# Altium PCB Edison_arduino_5_0826.PcbDoc (part 1 of 6)
Units mm, origin at the board's own origin, x right, y up, seen from the top; angles counter-clockwise.
Board outline 122.25 x 72.01 mm, 4 copper layers (TOP, GND, PWR_GND, BOTTOM), stack 1.567 mm thick; 365 components, 239 nets, 1187 pads, 660 vias.
Unrouted connection lines stored in the file: 40.
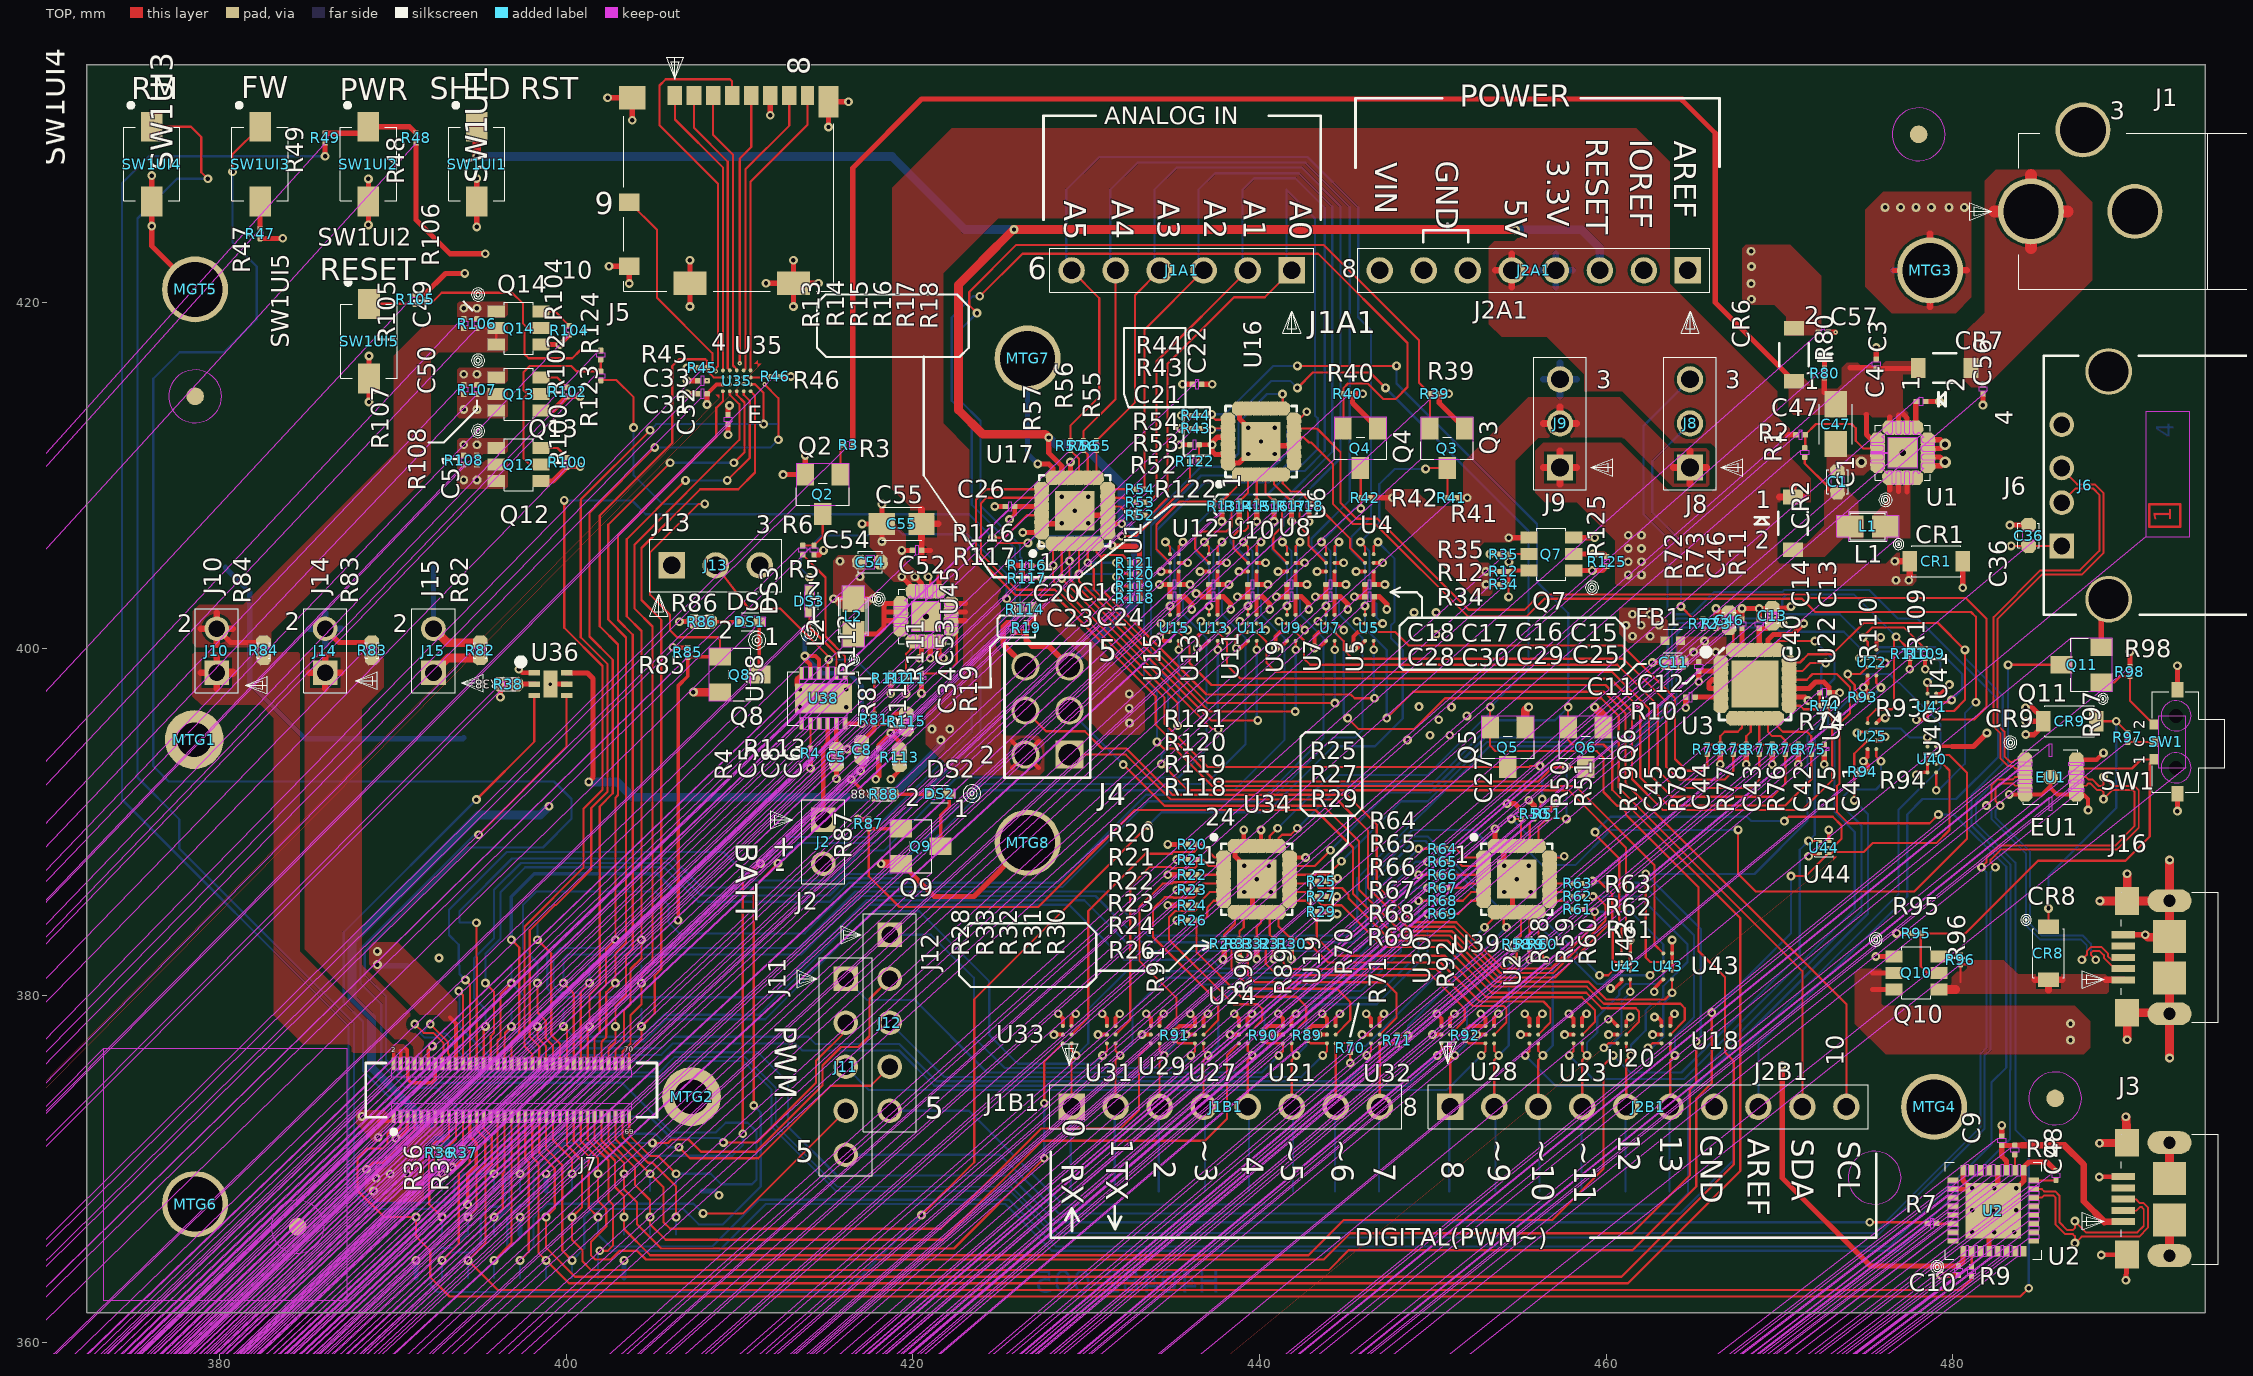
[diagram p0: TOP view]
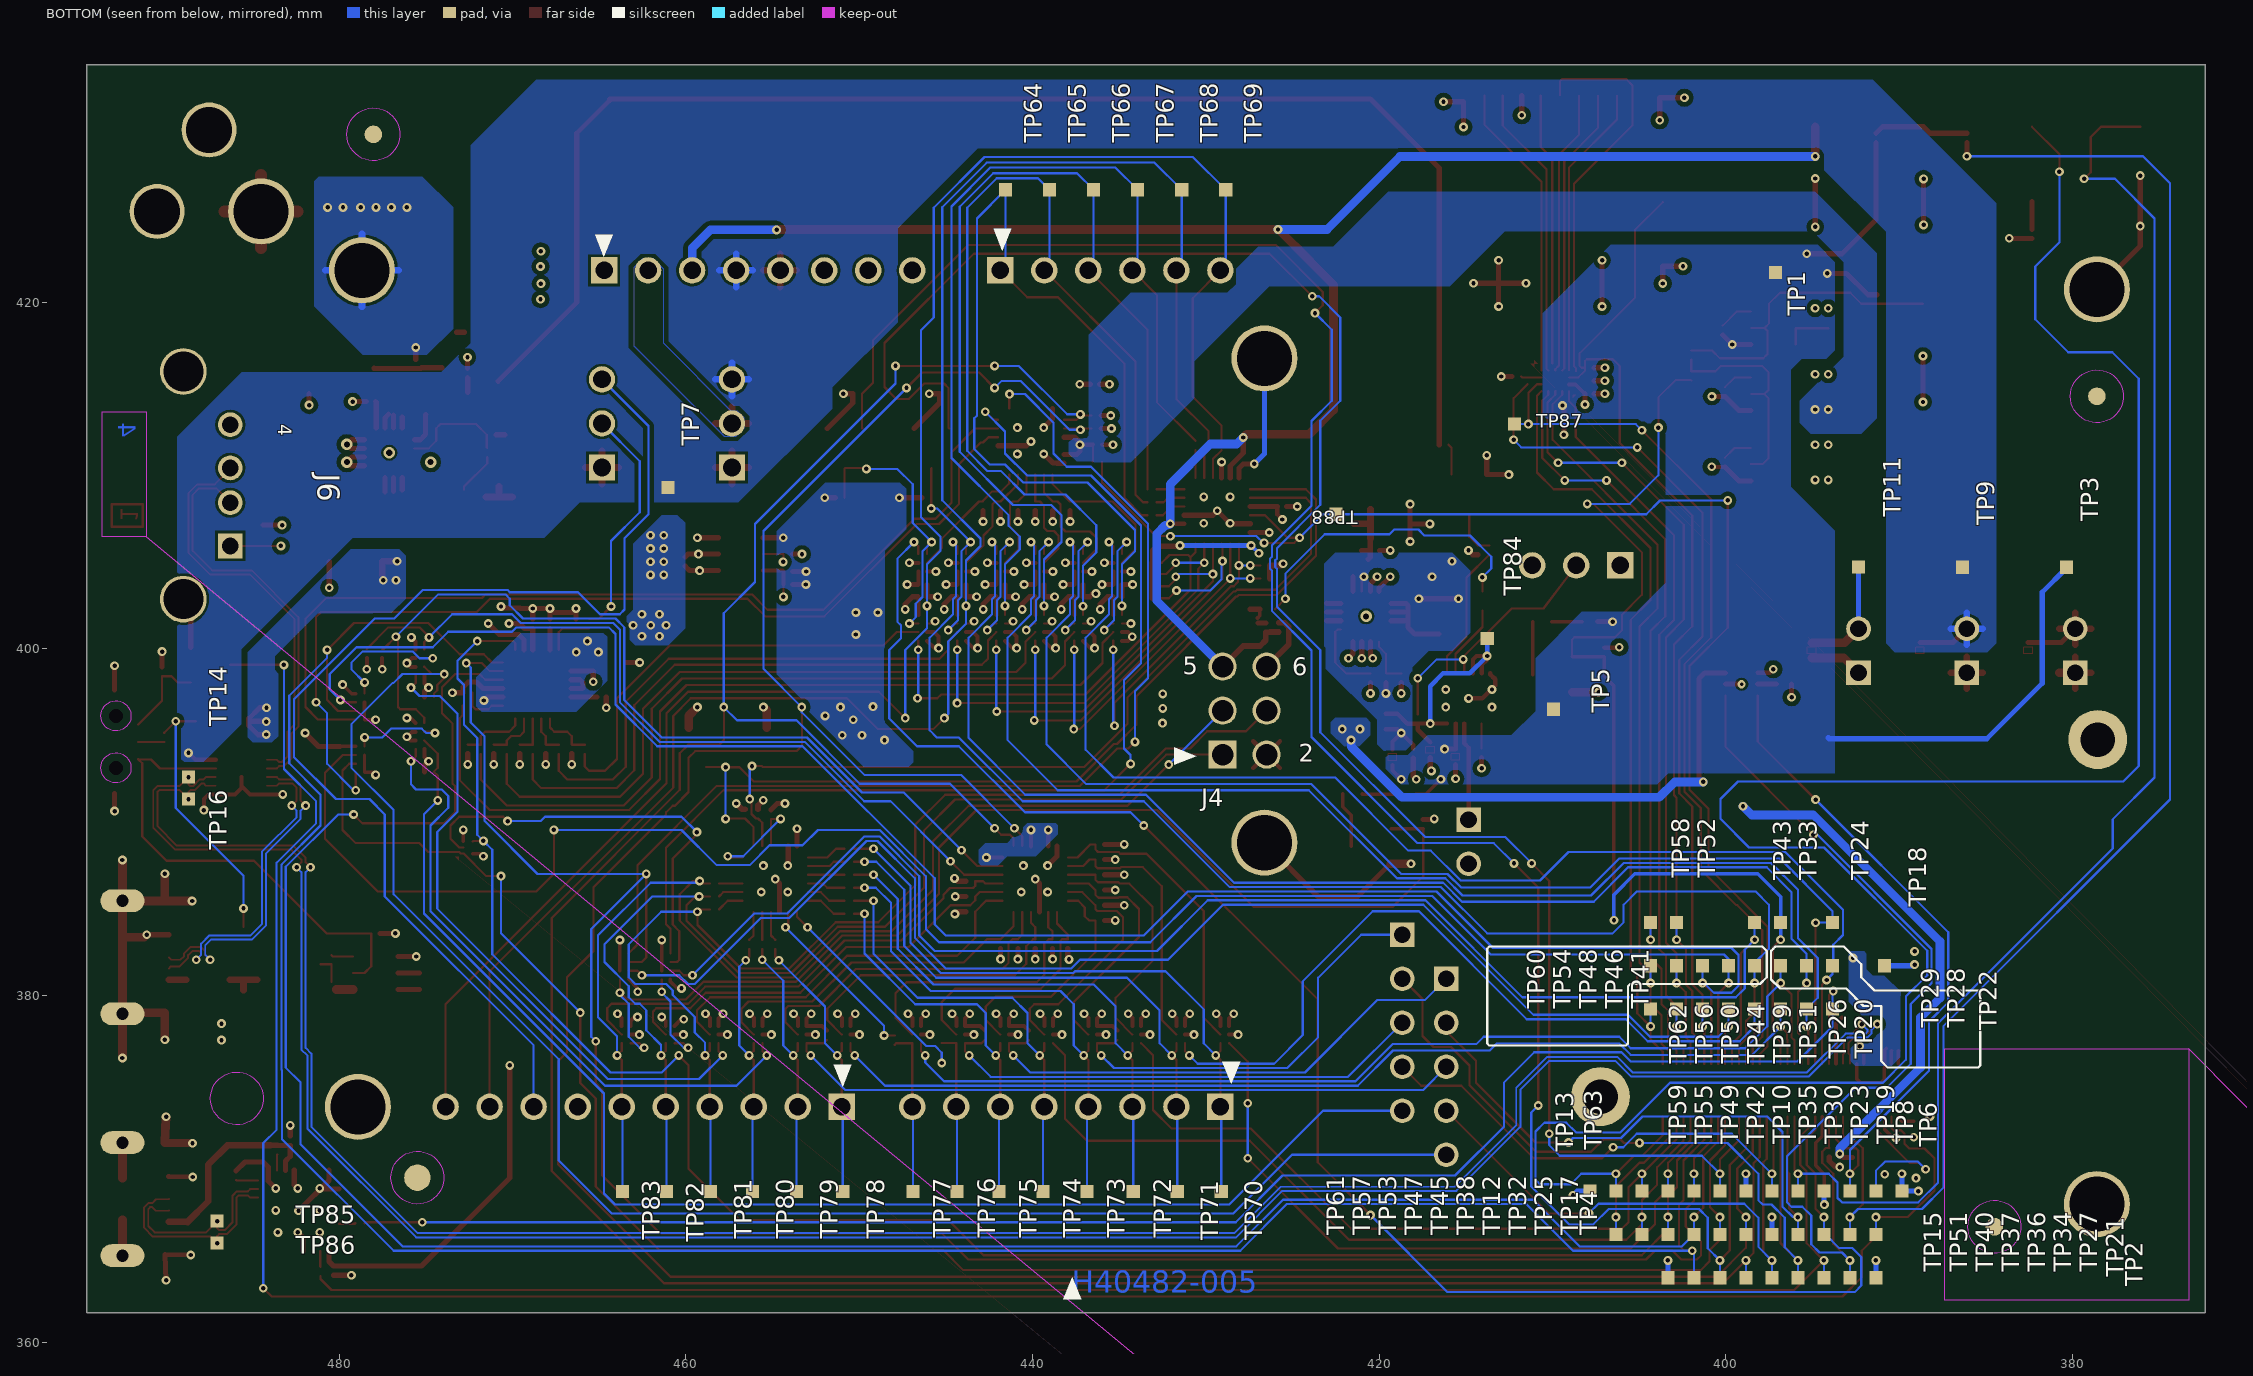
[diagram p1: BOTTOM view, seen from below]
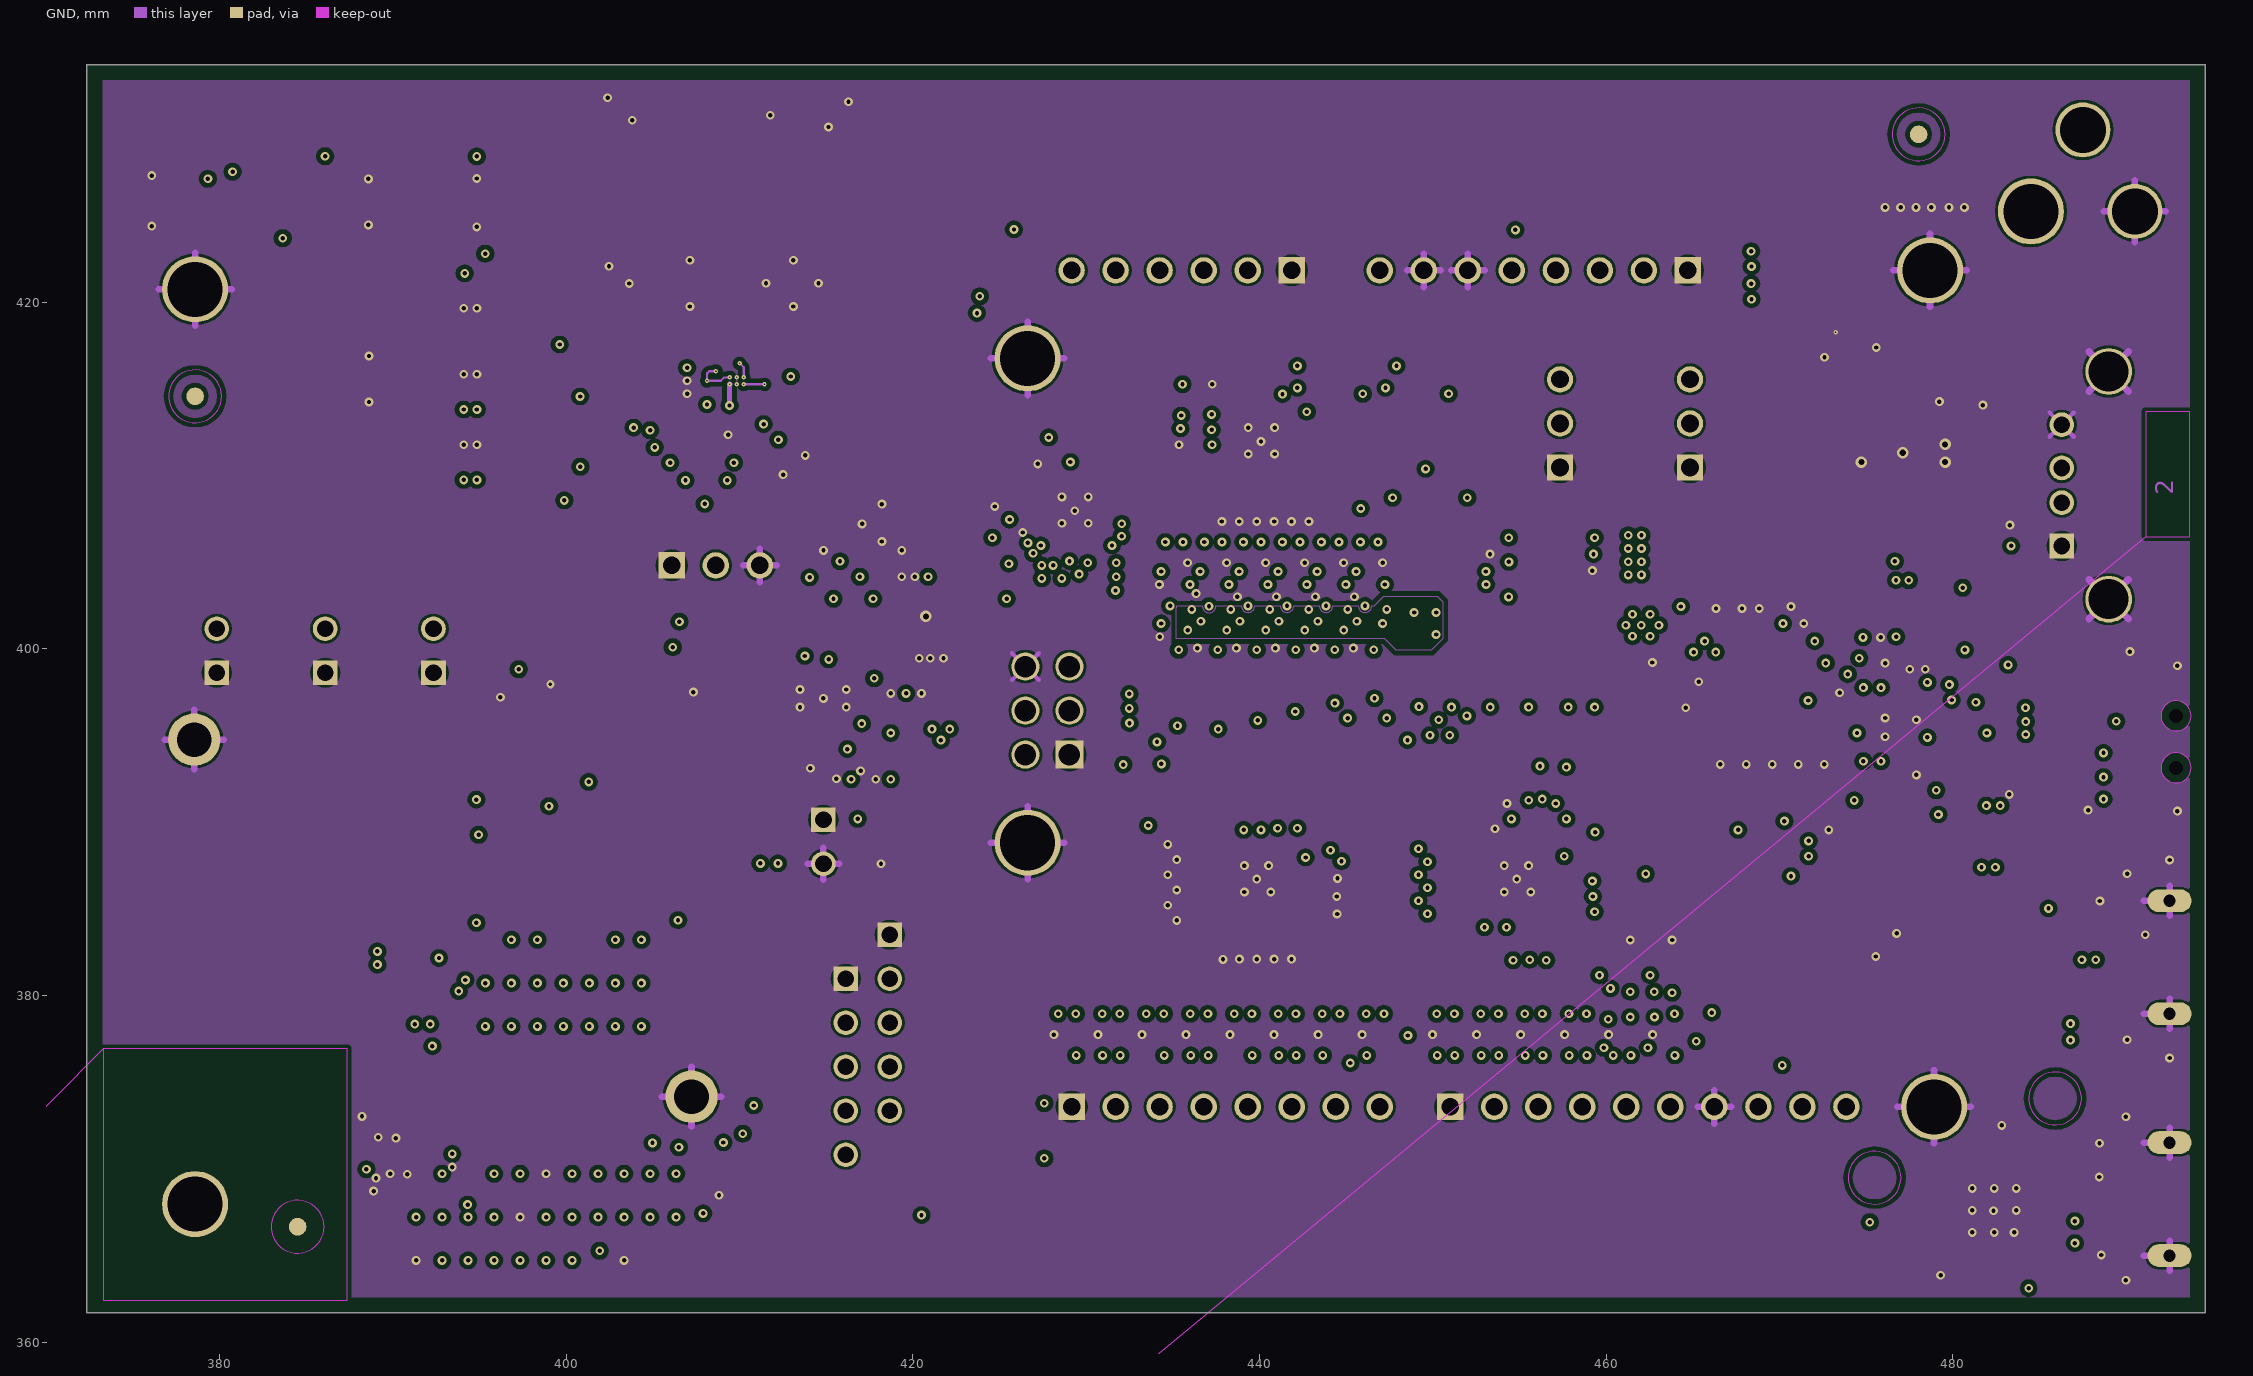
[diagram p2: GND]
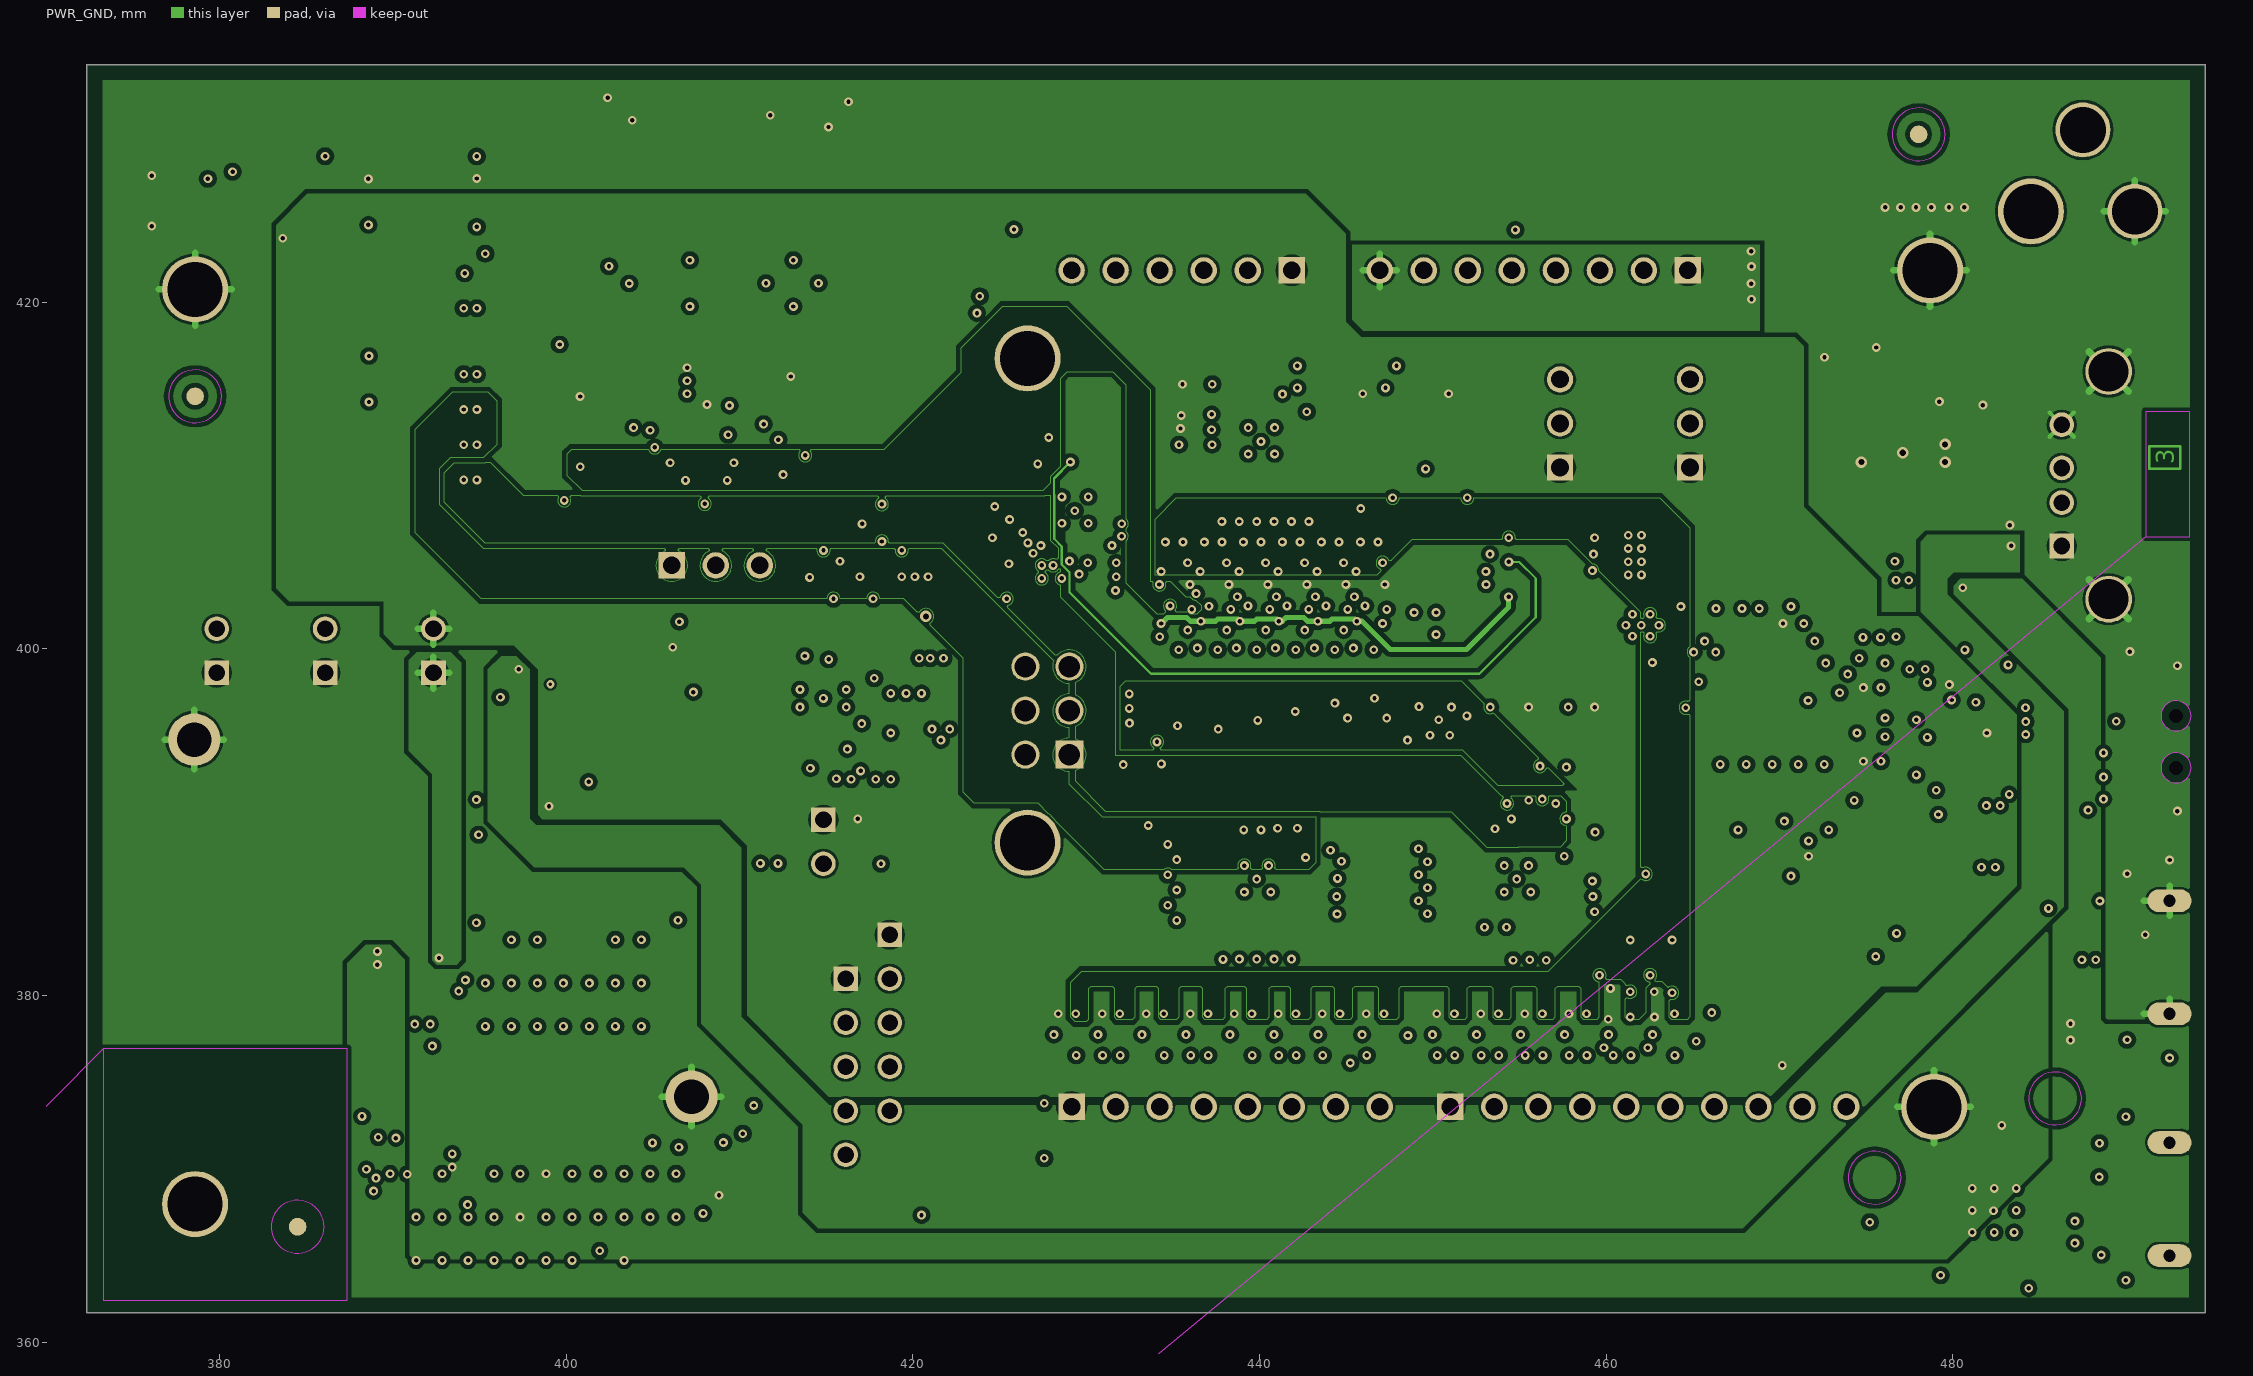
[diagram p3: PWR_GND]

## Layer stack, top to bottom
Top Solder: solder mask 0.0102, Solder Resist, Dk 3.5
TOP: signal copper 0.0483
Dielectric 1: core 0.0673, FR-4, Dk 3.86
GND: signal copper 0.033
Dielectric2: core 1.27, FR-4, Dk 4.34
PWR_GND: signal copper 0.033
Dielectric3: core 0.0673, FR-4, Dk 3.86
BOTTOM: signal copper 0.0483
Bottom Solder: solder mask 0.0102, Solder Resist, Dk 3.5

## Board outline
372.326,361.721 372.339,361.709 494.563,361.709 494.576,361.721 494.576,433.705 494.563,433.718 372.339,433.718 372.326,433.705

## Design rules (kind name [scope] priority, off if disabled: settings)
Clearance [All] p1: gap=0.254
PlaneConnect [All] p1: planeconnectstyle=Direct reliefexpansion=0.508 reliefentries=4 reliefconductorwidth=0.254 reliefairgap=0.254
PolygonConnect [All] p1: connectstyle=Direct reliefconductorwidth=0.254 reliefentries=4 polygonreliefangle="90 Angle" airgapwidth=0.254
RoutingVias [All] p1: holewidth=0.711 width=1.27 viastyle="Through Hole" minholewidth=0.711 minwidth=1.27 maxholewidth=0.711 maxwidth=1.27
SolderMaskExpansion [All] p1: expansion=0.102
UnpouredPolygon [All] p1: allowunpoured=FALSE
Width [All] p1: maxlimit=0.254 minlimit=0.254 preferedwidth=0.254 impedancedriven=TRUE minimp=100.910000 maximp=109.480000 favimp=31.480000
28 further rules are at their usual default settings.

## Components (designator, comment, footprint, x,y, rotation, side; value= is the part's Value field where it differs from the comment)
C1 "602433-081" SMC0603_HI_VALUE#1 473.348,409.643 r180 top
C3 "CAP_C0201_0.1UF_C83410-027" C0201#1 475.589,416.455 r0 top
C4 "C83410-017" SMC0201#1 478.168,414.274 r0 top
C5 "G21049-001" SMC0402#1 415.589,393.777 r0 top
C6 "CAP_C0201_0.1UF_C83410-014" C0201#2 418.034,393.985 r180 top
C8 "G21049-001" SMC0402#1 417.048,394.173 r0 top
C9 "CAP_C0201_0.1UF_C83410-014" C0201#1 482.828,371.627 r0 top
C10 "CAP_C0201_0.1UF_C83410-014" C0201#3 480.328,364.127 r180 top
C11 "G21049-001" SMC0402#2 463.894,399.221 r270 top
C12 "CAP_C0201_0.1UF_C83410-014" C0201#4 465.339,398.988 r180 top
C13 "G21049-001" SMC0402#3 469.589,401.916 r180 top
C14 "CAP_C0201_0.1UF_C83410-014" C0201#1 468.839,401.455 r0 top
C15 "CAP_C0201_0.1UF_C83410-014" C0201#1 446.355,403.721 r90 top
C16 "CAP_C0201_0.1UF_C83410-014" C0201#1 444.105,403.721 r90 top
C17 "CAP_C0201_0.1UF_C83410-014" C0201#1 441.855,403.721 r90 top
C18 "CAP_C0201_0.1UF_C83410-014" C0201#1 439.605,403.721 r90 top
C19 "CAP_C0201_0.1UF_C83410-014" C0201#1 437.355,403.721 r90 top
C20 "CAP_C0201_0.1UF_C83410-014" C0201#1 435.105,403.721 r90 top
C21 "CAP_C0201_0.1UF_C83410-014" C0201#1 436.247,411.786 r90 top
C22 "CAP_C0201_0.1UF_C83410-014" C0201#5 436.392,415.272 r270 top
C23 "CAP_C0201_0.1UF_C83410-014" C0201#1 435.105,403.016 r90 top
C24 "CAP_C0201_0.1UF_C83410-014" C0201#1 437.355,403.016 r90 top
C25 "CAP_C0201_0.1UF_C83410-014" C0201#1 446.355,403.016 r90 top
C26 "CAP_C0201_0.1UF_C83410-014" C0201#1 425.605,408.221 r90 top
C27 "CAP_C0201_0.1UF_C83410-014" C0201#1 455.089,390.455 r0 top
C28 "CAP_C0201_0.1UF_C83410-014" C0201#1 439.605,403.016 r90 top
C29 "CAP_C0201_0.1UF_C83410-014" C0201#1 444.105,403.016 r90 top
C30 "CAP_C0201_0.1UF_C83410-014" C0201#1 441.855,403.016 r90 top
C31 "CAP_C0201_0.1UF_C83410-014" C0201#1 407.855,414.721 r90 top
C32 "CAP_C0201_0.1UF_C83410-014" C0201#6 409.339,413.238 r180 top
C33 "CAP_C0201_0.1UF_C83410-014" C0201#1 407.855,415.471 r90 top
C34 "D70542-001" SMC0201#1 425.79,401.243 r90 top
C36 "602433-091" SMC0603_HI_VALUE#2 484.38,406.546 r180 top
C40 "D70542-001" SMC0201#1 472.589,397.471 r0 top
C41 "D70542-001" SMC0201#2 472.589,394.221 r270 top
C42 "D70542-001" SMC0201#2 471.089,394.221 r270 top
C43 "D70542-001" SMC0201#2 469.589,394.221 r270 top
C44 "D70542-001" SMC0201#2 468.089,394.221 r270 top
C45 "D70542-001" SMC0201#2 466.589,394.221 r270 top
C46 "G21049-001" SMC0402#4 467.089,401.666 r180 top
C47 "G27061-002" SMC0805 473.248,412.969 r0 top
C48 "CAP_C0201_0.1UF_C83410-014" C0201#1 485.953,369.629 r0 top
C49 "CAP_C0201_0.1UF_C83410-014" C0201#1 394.083,418.771 r0 top
C50 "CAP_C0201_0.1UF_C83410-014" C0201#1 394.083,414.961 r0 top
C51 "CAP_C0201_0.1UF_C83410-014" C0201#1 394.845,410.897 r0 top
C52 "CAP_C0201_0.1UF_C83410-014" C0201#1 420.245,405.69 r90 top
C53 "C83410-017" SMC0201#3 420.499,398.324 r270 top
C54 "602433-081" SMC0603_HI_VALUE#3 417.536,405.008 r90 top
C55 "G27061-002" SMC0805 419.356,407.214 r270 top
C56 "CAP_C0201_0.1UF_C83410-027" C0201#7 481.739,414.989 r180 top
C57 "CAP_C0201_0.1UF_C83410-027" C0201#2 472.523,418.272 r270 top
CR1 "E58800-001" SOD123_67X106 479.046,405.055 r90 top
CR2 "H33384-001" SCR_27X17MA 470.78,407.243 r0 top
CR6 "H33384-001" SCR_27X17MA 470.839,416.971 r180 top
CR7 "H33384-001" SCR_27X17MA 479.527,416.204 r90 top
CR8 "E58800-001" SOD123_67X106 485.523,382.449 r0 top
CR9 "E58800-001" SOD123_67X106 486.743,395.825 r270 top
DS1 "E54986-003" SMLED0402#1 410.594,401.574 r270 top
DS2 "E54986-003" SMLED0402#2 421.542,391.643 r270 top
DS3 "E54986-003" SMLED0402#3 414.03,402.763 r180 top
EU1 "G67765-001" LCC10_P5MM_EP65X94 485.65,392.609 r0 top
FB1 "A51464-017" SMF0402 463.839,400.471 r180 top
J1 "G60557-001" JK_3P_RA 490.404,426.301 r270 top
J1A1 "H46111-001" 1X6RCPT_2P54_VT_TH 435.508,421.843 r180 top
J1B1 "H46118-001" 1X8RCPT_2P54_VT_TH 438.048,373.583 r0 top
J2 "E81838-001" 102276-001 414.839,388.874 r0 top
J2A1 "H46118-001" 1X8RCPT_2P54_VT_TH 455.828,421.843 r180 top
J2B1 "CON10,1X10,0.1,0.093,E74918-001" 1X10RCPT_2P54_VT_TH 462.432,373.583 r0 top
J3 "G58911-001" RCPT_USB_5P_DIP_SM 491.177,368.259 r90 top
J4 "H18587-001" CONN6_H18587001 427.761,396.443 r180 top
J5 "REQ3437" CONN_SDCARD_8P_PP 409.377,427.902 r180 top
J6 "D23040-001" CONN4_D23040001 492.277,409.443 r90 top
J7 "H42241-001" 2X35_P4MM_BTB_AXT_SKT_MB 396.839,374.544 r0 top
J8 "A91829-001" 102276-003 464.775,413.075 r180 top
J9 "A91829-001" 102276-003 457.275,413.075 r180 top
J10 "E81838-001" 102276-001 379.839,399.901 r180 top
J11 "C88650-001" 102276-005 416.128,375.895 r0 top
J12 "C88650-001" 102276-005 418.668,378.435 r0 top
J13 "A91829-001" 102276-003 408.692,404.885 r90 top
J14 "E81838-001" 102276-001 386.089,399.901 r180 top
J15 "E81838-001" 102276-001 392.339,399.901 r180 top
J16 "G58911-001" RCPT_USB_5P_DIP_SM 491.177,382.211 r90 top
L1 "G95926-001" SML0805#1 475.097,407.071 r270 top
L2 "G95926-001" SML0805#2 416.562,401.88 r180 top
MGT5 "SYMBOL_NPTH125_0_SYMBOL_NPTH125" SYMBOL_NPTH125 378.587,420.751 r0 top
MTG1 "MOUNTING HOLE 787_NPIN787_NPIN7" NPIN787 378.539,394.772 r0 top
MTG2 "MOUNTING HOLE 787_NPIN787_NPIN7" NPIN787 407.229,374.172 r0 top
MTG3 "SYMBOL_NPTH125_0_SYMBOL_NPTH125" SYMBOL_NPTH125 478.688,421.843 r0 top
MTG4 "SYMBOL_NPTH125_0_SYMBOL_NPTH125" SYMBOL_NPTH125 478.918,373.583 r0 top
MTG6 "SYMBOL_NPTH125_0_SYMBOL_NPTH125" SYMBOL_NPTH125 378.589,367.971 r0 top
MTG7 "SYMBOL_NPTH125_0_SYMBOL_NPTH125" SYMBOL_NPTH125 426.618,416.763 r0 top
MTG8 "SYMBOL_NPTH125_0_SYMBOL_NPTH125" SYMBOL_NPTH125 426.618,388.823 r0 top
Q2 "C81974-001" SOT23#1 414.803,408.92 r270 top
Q3 "C81974-001" SOT23#2 450.823,411.578 r270 top
Q4 "C81974-001" SOT23#2 445.823,411.578 r270 top
Q5 "C81974-001" SOT23#3 454.323,394.328 r270 top
Q6 "C81974-001" SOT23#3 458.823,394.328 r270 top
Q7 "FDC6331" SOT23_6_SUPER_NOEP_1P22H 456.839,405.471 r180 top
Q8 "C81974-001" SOT23#4 410.007,398.526 r0 top
Q9 "C81974-001" SOT23#4 420.454,388.62 r0 top
Q10 "FDC6331" SOT23_6_SUPER_NOEP_1P22H 477.903,381.306 r0 top
Q11 "C81974-001" SOT23#5 487.428,399.084 r180 top
Q12 "FDC6331" SOT23_6_SUPER_NOEP_1P22H 397.258,410.643 r0 top
Q13 "FDC6331" SOT23_6_SUPER_NOEP_1P22H 397.258,414.707 r0 top
Q14 "FDC6331" SOT23_6_SUPER_NOEP_1P22H 397.258,418.517 r0 top
R1 "R_0_R0201_0R_C80792-009" R0201#1 471.462,411.335 r0 top
R2 "R_0_R0201_0R_C80792-009" R0201#2 471.224,412.359 r270 top
R3 "C80792-002" SMR0201#1 416.265,411.781 r90 top
R4 "C80792-002" SMR0201#2 414.089,393.988 r180 top
R5 "R0603_R0201_1K_C48657-010" R0201#1 413.651,405.702 r0 top
R6 "R_0_R0201_0R_C80792-009" R0201#1 414.3,405.702 r0 top
R7 "R_0_R0201_0R_C80792-009" R0201#3 478.811,366.86 r270 top
R8 "R_0_R0201_0R_C80792-009" R0201#1 483.578,371.094 r0 top
R9 "R_0_R0201_0R_C80792-009" R0201#1 481.078,364.094 r0 top
R10 "R_0_R0201_0R_C80792-009" R0201#1 464.855,397.221 r90 top
R11 "R_0_R0201_0R_C80792-009" R0201#1 467.839,401.455 r0 top
R12 "C80792-002" SMR0201#1 454.105,404.471 r90 top
R13 "C80792-002" SMR0201#3 437.831,408.238 r180 top
R14 "C80792-002" SMR0201#4 438.835,408.238 r180 top
R15 "C80792-002" SMR0201#5 439.839,408.238 r180 top
R16 "C80792-002" SMR0201#6 440.843,408.238 r180 top
R17 "C80792-002" SMR0201#7 441.847,408.238 r180 top
R18 "C80792-002" SMR0201#8 442.851,408.238 r180 top
R19 "C80792-002" SMR0201#9 426.539,401.239 r180 top
R20 "C80792-002" SMR0201#1 436.105,388.725 r90 top
R21 "C80792-002" SMR0201#1 436.105,387.848 r90 top
R22 "C80792-002" SMR0201#1 436.105,386.971 r90 top
R23 "C80792-002" SMR0201#1 436.105,386.094 r90 top
R24 "C80792-002" SMR0201#1 436.105,385.217 r90 top
R25 "C80792-002" SMR0201#10 443.572,386.598 r270 top
R26 "C80792-002" SMR0201#1 436.105,384.34 r90 top
R27 "C80792-002" SMR0201#11 443.572,385.721 r270 top
R28 "C80792-002" SMR0201#12 437.962,382.988 r180 top
R29 "C80792-002" SMR0201#13 443.572,384.844 r270 top
R30 "C80792-002" SMR0201#7 441.847,382.988 r180 top
R31 "C80792-002" SMR0201#6 440.843,382.988 r180 top
R32 "C80792-002" SMR0201#5 439.839,382.988 r180 top
R33 "C80792-002" SMR0201#4 438.839,382.988 r180 top
R34 "C80792-002" SMR0201#1 454.105,403.721 r90 top
R35 "C80792-002" SMR0201#1 454.105,405.471 r90 top
R36 "C80792-002" SMR0201#1 392.706,370.926 r0 top
R37 "C80792-011" SMR0201#1 394.029,370.938 r0 top
R38 "RESD,0201,1%,1/20W,562_SMR0402_" SMR0402#1 396.644,397.971 r270 top
R39 "C80792-014" SMR0201#1 450.105,414.721 r90 top
R40 "C80792-014" SMR0201#1 445.105,414.721 r90 top
R41 "C80792-014" SMR0201#1 451.105,408.721 r90 top
R42 "C80792-014" SMR0201#1 446.105,408.721 r90 top
R43 "C80792-014" SMR0201#14 436.322,412.721 r270 top
R44 "C80792-014" SMR0201#15 436.322,413.471 r270 top
R45 "C80792-002" SMR0201#1 407.855,416.221 r90 top
R46 "C80792-002" SMR0201#16 412.072,415.721 r270 top
R47 "C80792-046" SMR0201#1 382.339,423.955 r0 top
R48 "C80792-002" SMR0201#17 391.339,429.488 r180 top
R49 "C80792-046" SMR0201#18 386.089,429.488 r180 top
R50 "C80792-014" SMR0201#19 455.839,390.488 r180 top
R51 "C80792-014" SMR0201#20 456.589,390.488 r180 top
R52 "C48657-118" SMR0201#1 433.105,407.721 r90 top
R53 "C48657-118" SMR0201#1 433.105,408.471 r90 top
R54 "C48657-118" SMR0201#1 433.105,409.221 r90 top
R55 "C48657-118" SMR0201#21 430.589,411.738 r180 top
R56 "C48657-118" SMR0201#22 429.839,411.738 r180 top
R57 "C48657-118" SMR0201#23 429.089,411.738 r180 top
R58 "C48657-118" SMR0201#1 454.839,382.955 r0 top
R59 "C48657-118" SMR0201#1 455.589,382.955 r0 top
R60 "C48657-118" SMR0201#1 456.339,382.955 r0 top
R61 "C48657-118" SMR0201#1 458.355,384.971 r90 top
R62 "C48657-118" SMR0201#1 458.355,385.721 r90 top
R63 "C48657-118" SMR0201#1 458.355,386.471 r90 top
R64 "C48657-118" SMR0201#24 450.572,388.471 r270 top
R65 "C48657-118" SMR0201#25 450.572,387.721 r270 top
R66 "C48657-118" SMR0201#26 450.572,386.971 r270 top
R67 "C48657-118" SMR0201#18 450.572,386.221 r270 top
R68 "C48657-118" SMR0201#27 450.572,385.471 r270 top
R69 "C48657-118" SMR0201#13 450.572,384.721 r270 top
R70 "C48657-118" SMR0201#28 445.239,376.991 r180 top
R71 "C48657-118" SMR0201#1 447.949,377.435 r0 top
R72 "C48657-013" SMR0201#1 465.589,401.455 r0 top
R73 "C48657-013" SMR0201#1 466.339,401.455 r0 top
R74 "C48657-043" SMR0201#1 472.605,396.721 r90 top
R75 "C48657-043" SMR0201#1 471.839,394.205 r0 top
R76 "C48657-043" SMR0201#1 470.339,394.205 r0 top
R77 "C48657-043" SMR0201#1 468.839,394.205 r0 top
R78 "C48657-043" SMR0201#1 467.339,394.205 r0 top
R79 "C48657-043" SMR0201#1 465.839,394.205 r0 top
R80 "C80792-002" SMR0201#1 472.601,415.917 r0 top
R81 "C80792-002" SMR0201#1 417.771,395.95 r0 top
R82 "C65288-008" SMR0402#2 395.046,399.921 r0 top
R83 "C65288-008" SMR0402#2 388.796,399.921 r0 top
R84 "C65288-008" SMR0402#2 382.546,399.921 r0 top

## Text inside footprints (layer, text, board x,y; h text height)
R104: CONSTRUCTION "LPID 1864" at 400.123,418.215 h0.2 r90; CONSTRUCTION "REV 3" at 400.283,418.251 h0.2 r90; CONSTRUCTION "1" at 400.097,418.124 h0.2 r180; CONSTRUCTION "2" at 400.097,418.657 h0.2 r180
R105: CONSTRUCTION "LPID 1864" at 391.345,420.344 h0.2 r270; CONSTRUCTION "REV 3" at 391.185,420.308 h0.2 r270; CONSTRUCTION "1" at 391.207,420.435 h0.2; CONSTRUCTION "2" at 391.207,419.902 h0.2
R106: CONSTRUCTION "LPID 1864" at 394.789,418.596 h0.2 r90; CONSTRUCTION "REV 3" at 394.949,418.632 h0.2 r90; CONSTRUCTION "2" at 394.763,419.038 h0.2 r180; CONSTRUCTION "1" at 394.763,418.505 h0.2 r180
R107: CONSTRUCTION "LPID 1864" at 394.789,414.786 h0.2 r90; CONSTRUCTION "REV 3" at 394.949,414.822 h0.2 r90; CONSTRUCTION "2" at 394.763,415.228 h0.2 r180; CONSTRUCTION "1" at 394.763,414.695 h0.2 r180
R108: CONSTRUCTION "LPID 1864" at 394.027,410.722 h0.2 r90; CONSTRUCTION "REV 3" at 394.187,410.758 h0.2 r90; CONSTRUCTION "2" at 394.001,411.164 h0.2 r180; CONSTRUCTION "1" at 394.001,410.631 h0.2 r180
R109: CONSTRUCTION "LPID 1864" at 478.355,399.559 h0.2 r90; CONSTRUCTION "REV 3" at 478.515,399.594 h0.2 r90; CONSTRUCTION "1" at 478.329,399.467 h0.2 r180; CONSTRUCTION "2" at 478.329,400.001 h0.2 r180
R110: CONSTRUCTION "LPID 1864" at 477.466,399.559 h0.2 r90; CONSTRUCTION "REV 3" at 477.626,399.594 h0.2 r90; CONSTRUCTION "1" at 477.44,399.467 h0.2 r180; CONSTRUCTION "2" at 477.44,400.001 h0.2 r180
R111: CONSTRUCTION "LPID 1864" at 419.666,398.5 h0.2 r270; CONSTRUCTION "REV 3" at 419.506,398.464 h0.2 r270; CONSTRUCTION "1" at 419.528,398.591 h0.2; CONSTRUCTION "2" at 419.528,398.058 h0.2
R112: CONSTRUCTION "LPID 1864" at 418.665,398.149 h0.2 r90; CONSTRUCTION "REV 3" at 418.825,398.185 h0.2 r90; CONSTRUCTION "1" at 418.639,398.058 h0.2 r180; CONSTRUCTION "2" at 418.639,398.591 h0.2 r180
R113: CONSTRUCTION "REV12" at 417.857,395.797 h1.02 r270; CONSTRUCTION "2" at 418.975,393.308 h0.64; CONSTRUCTION "1" at 418.975,394.197 h0.64
R114: CONSTRUCTION "REV12" at 424.401,400.92 h1.02; CONSTRUCTION "2" at 426.637,402.292 h0.64 r90; CONSTRUCTION "1" at 425.748,402.292 h0.64 r90
R115: CONSTRUCTION "REV12" at 420.995,393.773 h1.02 r90; CONSTRUCTION "1" at 419.369,395.373 h0.64 r180; CONSTRUCTION "2" at 419.369,396.262 h0.64 r180
R116: CONSTRUCTION "LPID 1864" at 426.748,404.767 h0.2 r180; CONSTRUCTION "REV 3" at 426.712,404.927 h0.2 r180; CONSTRUCTION "1" at 426.758,404.822 h0.2 r270; CONSTRUCTION "2" at 426.225,404.822 h0.2 r270
R117: CONSTRUCTION "LPID 1864" at 426.748,404.016 h0.2 r180; CONSTRUCTION "REV 3" at 426.712,404.177 h0.2 r180; CONSTRUCTION "1" at 426.758,404.072 h0.2 r270; CONSTRUCTION "2" at 426.225,404.072 h0.2 r270
R118: CONSTRUCTION "LPID 1864" at 432.631,402.978 h0.2; CONSTRUCTION "REV 3" at 432.666,402.818 h0.2; CONSTRUCTION "1" at 432.458,402.922 h0.2 r90; CONSTRUCTION "2" at 432.992,402.922 h0.2 r90
R119: CONSTRUCTION "LPID 1864" at 432.631,403.678 h0.2; CONSTRUCTION "REV 3" at 432.666,403.518 h0.2; CONSTRUCTION "1" at 432.458,403.622 h0.2 r90; CONSTRUCTION "2" at 432.992,403.622 h0.2 r90
R120: CONSTRUCTION "LPID 1864" at 432.631,404.378 h0.2; CONSTRUCTION "REV 3" at 432.666,404.218 h0.2; CONSTRUCTION "1" at 432.458,404.322 h0.2 r90; CONSTRUCTION "2" at 432.992,404.322 h0.2 r90
R121: CONSTRUCTION "LPID 1864" at 432.631,405.028 h0.2; CONSTRUCTION "REV 3" at 432.666,404.868 h0.2; CONSTRUCTION "1" at 432.458,404.972 h0.2 r90; CONSTRUCTION "2" at 432.992,404.972 h0.2 r90
R122: CONSTRUCTION "LPID 1864" at 436.081,410.878 h0.2; CONSTRUCTION "REV 3" at 436.116,410.718 h0.2; CONSTRUCTION "2" at 436.442,410.822 h0.2 r90; CONSTRUCTION "1" at 435.908,410.822 h0.2 r90
R123: CONSTRUCTION "MAX" at 401.227,416.017 h1.6; CONSTRUCTION "WIDTH" at 400.768,415.187 h1.6; CONSTRUCTION "2" at 401.349,415.489 h1.6; CONSTRUCTION "1" at 401.349,416.022 h1.6
R124: CONSTRUCTION "MAX" at 401.227,417.217 h1.6; CONSTRUCTION "WIDTH" at 400.768,416.387 h1.6; CONSTRUCTION "1" at 401.349,417.222 h1.6; CONSTRUCTION "2" at 401.349,416.689 h1.6
R125: CONSTRUCTION "LPID 1864" at 459.983,404.864 h0.2 r90; CONSTRUCTION "REV 3" at 460.143,404.899 h0.2 r90; CONSTRUCTION "1" at 459.958,404.772 h0.2 r180; CONSTRUCTION "2" at 459.958,405.306 h0.2 r180
SW1: CONSTRUCTION "REV 1" at 494.098,392.633 h0.79 r90; CONSTRUCTION "4" at 492.807,397.798 h0.51 r90; CONSTRUCTION "3" at 492.807,391.798 h0.51 r90; CONSTRUCTION "1" at 491.718,393.735 h0.51 r90; CONSTRUCTION "C" at 491.75,394.786 h0.51 r90; CONSTRUCTION "2" at 491.726,395.814 h0.51 r90; CONSTRUCTION "5" at 492.68,393.141 h0.51 r90; CONSTRUCTION "6" at 492.68,396.141 h0.51 r90; Top Overlay "2" at 491.071,395.37 h0.64 r90; Top Overlay "C" at 491.088,394.342 h0.64 r90; Top Overlay "1" at 491.071,393.323 h0.64 r90
SW1UI1: CONSTRUCTION "LPID_1654" at 400.234,432.965 h1.91; CONSTRUCTION "08-30-07" at 399.972,423.079 h1.91; CONSTRUCTION "R49X68" at 400.114,425.378 h1.91; CONSTRUCTION "SSW2RPB" at 399.987,427.817 h1.91; CONSTRUCTION "REVA" at 400.274,430.207 h1.91; CONSTRUCTION "2" at 394.737,425.812 h0.25; CONSTRUCTION "1" at 394.737,430.13 h0.25
SW1UI2: CONSTRUCTION "LPID_1654" at 393.986,432.962 h1.91; CONSTRUCTION "08-30-07" at 393.725,423.077 h1.91; CONSTRUCTION "R49X68" at 393.867,425.376 h1.91; CONSTRUCTION "SSW2RPB" at 393.74,427.814 h1.91; CONSTRUCTION "REVA" at 394.027,430.204 h1.91; CONSTRUCTION "2" at 388.487,425.812 h0.25; CONSTRUCTION "1" at 388.487,430.13 h0.25
SW1UI3: CONSTRUCTION "LPID_1654" at 387.736,432.965 h1.91; CONSTRUCTION "08-30-07" at 387.475,423.079 h1.91; CONSTRUCTION "R49X68" at 387.617,425.378 h1.91; CONSTRUCTION "SSW2RPB" at 387.49,427.817 h1.91; CONSTRUCTION "REVA" at 387.777,430.207 h1.91; CONSTRUCTION "1" at 382.237,430.13 h0.25; CONSTRUCTION "2" at 382.237,425.812 h0.25
SW1UI4: CONSTRUCTION "LPID_1654" at 381.486,432.965 h1.91; CONSTRUCTION "08-30-07" at 381.225,423.079 h1.91; CONSTRUCTION "R49X68" at 381.367,425.378 h1.91; CONSTRUCTION "SSW2RPB" at 381.24,427.816 h1.91; CONSTRUCTION "REVA" at 381.527,430.207 h1.91; CONSTRUCTION "2" at 375.987,425.812 h0.25; CONSTRUCTION "1" at 375.987,430.13 h0.25
SW1UI5: CONSTRUCTION "LPID_1654" at 394.018,422.748 h1.91; CONSTRUCTION "08-30-07" at 393.757,412.862 h1.91; CONSTRUCTION "R49X68" at 393.899,415.16 h1.91; CONSTRUCTION "SSW2RPB" at 393.772,417.599 h1.91; CONSTRUCTION "REVA" at 394.058,419.99 h1.91; CONSTRUCTION "2" at 388.52,415.596 h0.25; CONSTRUCTION "1" at 388.52,419.914 h0.25
TP1: CONSTRUCTION "1" at 396.631,421.721 h0.64
TP2: CONSTRUCTION "1" at 390.831,363.721 h0.64
TP3: CONSTRUCTION "1" at 379.831,404.721 h0.64
TP4: CONSTRUCTION "1" at 390.831,366.221 h0.64
TP5: CONSTRUCTION "1" at 409.431,396.521 h0.64
TP6: CONSTRUCTION "1" at 389.331,368.721 h0.64
TP7: CONSTRUCTION "1" at 460.531,409.321 h0.64
TP8: CONSTRUCTION "1" at 390.831,368.721 h0.64
TP9: CONSTRUCTION "1" at 385.831,404.721 h0.64
TP10: CONSTRUCTION "1" at 398.331,368.721 h0.64
TP11: CONSTRUCTION "1" at 391.831,404.723 h0.64
TP12: CONSTRUCTION "1" at 396.831,366.221 h0.64
TP13: CONSTRUCTION "1" at 407.331,368.721 h0.64
TP14: CONSTRUCTION "1" at 488.19,392.609 h0.64
TP15: CONSTRUCTION "1" at 402.831,363.721 h0.64
TP16: CONSTRUCTION "1" at 488.19,391.341 h0.64
TP17: CONSTRUCTION "1" at 392.331,366.221 h0.64
TP18: CONSTRUCTION "1" at 390.331,381.721 h0.64
TP19: CONSTRUCTION "1" at 392.331,368.721 h0.64
TP20: CONSTRUCTION "1" at 393.331,379.221 h0.64
TP21: CONSTRUCTION "1" at 392.331,363.721 h0.64
TP22: CONSTRUCTION "1" at 393.331,381.721 h0.64
TP23: CONSTRUCTION "1" at 393.831,368.721 h0.64
TP24: CONSTRUCTION "1" at 393.331,384.221 h0.64
TP25: CONSTRUCTION "1" at 393.831,366.221 h0.64
TP26: CONSTRUCTION "1" at 394.831,379.221 h0.64
TP27: CONSTRUCTION "1" at 393.831,363.721 h0.64
TP28: CONSTRUCTION "1" at 394.831,381.721 h0.64
TP29: CONSTRUCTION "1" at 396.331,381.721 h0.64
TP30: CONSTRUCTION "1" at 395.331,368.721 h0.64
TP31: CONSTRUCTION "1" at 396.331,379.221 h0.64
TP32: CONSTRUCTION "1" at 395.331,366.221 h0.64
TP33: CONSTRUCTION "1" at 396.331,384.221 h0.64
TP34: CONSTRUCTION "1" at 395.331,363.721 h0.64
TP35: CONSTRUCTION "1" at 396.831,368.721 h0.64
TP36: CONSTRUCTION "1" at 396.831,363.721 h0.64
TP37: CONSTRUCTION "1" at 398.331,363.721 h0.64
TP38: CONSTRUCTION "1" at 398.331,366.221 h0.64
TP39: CONSTRUCTION "1" at 397.831,379.221 h0.64
TP40: CONSTRUCTION "1" at 399.831,363.721 h0.64
TP41: CONSTRUCTION "1" at 397.831,381.721 h0.64
TP42: CONSTRUCTION "1" at 399.831,368.721 h0.64
TP43: CONSTRUCTION "1" at 397.831,384.221 h0.64
TP44: CONSTRUCTION "1" at 399.331,379.221 h0.64
TP45: CONSTRUCTION "1" at 399.831,366.221 h0.64
TP46: CONSTRUCTION "1" at 399.331,381.721 h0.64
TP47: CONSTRUCTION "1" at 401.331,366.221 h0.64
TP48: CONSTRUCTION "1" at 400.831,381.721 h0.64
TP49: CONSTRUCTION "1" at 401.331,368.721 h0.64
TP50: CONSTRUCTION "1" at 400.831,379.221 h0.64
TP51: CONSTRUCTION "1" at 401.331,363.721 h0.64
TP52: CONSTRUCTION "1" at 402.331,384.221 h0.64
TP53: CONSTRUCTION "1" at 402.831,366.221 h0.64
TP54: CONSTRUCTION "1" at 402.331,381.721 h0.64
TP55: CONSTRUCTION "1" at 402.831,368.721 h0.64
TP56: CONSTRUCTION "1" at 402.331,379.221 h0.64
TP57: CONSTRUCTION "1" at 404.331,366.221 h0.64
TP58: CONSTRUCTION "1" at 403.831,384.221 h0.64
TP59: CONSTRUCTION "1" at 404.331,368.721 h0.64
TP60: CONSTRUCTION "1" at 403.831,381.721 h0.64
TP61: CONSTRUCTION "1" at 405.831,366.221 h0.64
TP62: CONSTRUCTION "1" at 403.831,379.221 h0.64
TP63: CONSTRUCTION "1" at 405.831,368.721 h0.64
TP64: CONSTRUCTION "1" at 441.046,426.491 h0.64
TP65: CONSTRUCTION "1" at 438.506,426.491 h0.64
TP66: CONSTRUCTION "1" at 435.966,426.491 h0.64
TP67: CONSTRUCTION "1" at 433.426,426.491 h0.64
TP68: CONSTRUCTION "1" at 430.886,426.491 h0.64
TP69: CONSTRUCTION "1" at 428.346,426.491 h0.64
TP70: CONSTRUCTION "1" at 428.6,368.706 h0.64
TP71: CONSTRUCTION "1" at 431.14,368.706 h0.64
TP72: CONSTRUCTION "1" at 433.68,368.706 h0.64
TP73: CONSTRUCTION "1" at 436.347,368.706 h0.64
TP74: CONSTRUCTION "1" at 438.887,368.706 h0.64
TP75: CONSTRUCTION "1" at 441.427,368.706 h0.64
TP76: CONSTRUCTION "1" at 443.84,368.706 h0.64
TP77: CONSTRUCTION "1" at 446.38,368.706 h0.64
TP78: CONSTRUCTION "1" at 450.444,368.706 h0.64
TP79: CONSTRUCTION "1" at 453.111,368.706 h0.64
TP80: CONSTRUCTION "1" at 455.651,368.706 h0.64
TP81: CONSTRUCTION "1" at 458.064,368.706 h0.64
TP82: CONSTRUCTION "1" at 460.604,368.706 h0.64
TP83: CONSTRUCTION "1" at 463.144,368.706 h0.64
TP84: CONSTRUCTION "1" at 413.26,400.61 h0.64
TP85: CONSTRUCTION "1" at 486.539,366.989 h0.64
TP86: CONSTRUCTION "1" at 486.539,365.719 h0.64
TP87: CONSTRUCTION "1" at 411.681,412.972 h0.64
TP88: CONSTRUCTION "1" at 421.981,407.772 h0.64 r180
U1: CONSTRUCTION "REV1" at 478.322,410.925 h1.02 r90; CONSTRUCTION "4" at 477.7,409.874 h0.2 r90; CONSTRUCTION "16" at 475.665,410.572 h0.2 r90; CONSTRUCTION "15" at 475.665,411.073 h0.2 r90; CONSTRUCTION "8" at 478.398,412.071 h0.2 r90; CONSTRUCTION "7" at 478.398,411.57 h0.2 r90; CONSTRUCTION "6" at 478.398,411.07 h0.2 r90; CONSTRUCTION "5" at 478.398,410.57 h0.2 r90; CONSTRUCTION "17" at 477.113,411.322 h0.2 r90; CONSTRUCTION "3" at 477.199,409.874 h0.2 r90; CONSTRUCTION "2" at 476.699,409.874 h0.2 r90; CONSTRUCTION "1" at 476.199,409.874 h0.2 r90; CONSTRUCTION "9" at 477.865,412.769 h0.2 r90; CONSTRUCTION "14" at 475.665,411.573 h0.2 r90; CONSTRUCTION "10" at 477.364,412.769 h0.2 r90; CONSTRUCTION "11" at 476.864,412.769 h0.2 r90; CONSTRUCTION "12" at 476.364,412.769 h0.2 r90; CONSTRUCTION "13" at 475.665,412.073 h0.2 r90
U2: CONSTRUCTION "REV 1" at 482.292,367.852 h1.02 r90; CONSTRUCTION "8" at 483.935,365.256 h0.2 r180; CONSTRUCTION "7" at 483.435,365.256 h0.2 r180; CONSTRUCTION "6" at 482.934,365.256 h0.2 r180; CONSTRUCTION "31" at 479.688,366.341 h0.2 r90; CONSTRUCTION "22" at 481.273,369.925 h0.2; CONSTRUCTION "21" at 481.774,369.925 h0.2; CONSTRUCTION "10" at 484.357,366.341 h0.2 r270; CONSTRUCTION "11" at 484.357,366.841 h0.2 r270; CONSTRUCTION "9" at 484.519,365.84 h0.2 r270; CONSTRUCTION "5" at 482.434,365.256 h0.2 r180; CONSTRUCTION "12" at 484.357,367.339 h0.2 r270; CONSTRUCTION "13" at 484.357,367.839 h0.2 r270; CONSTRUCTION "23" at 480.773,369.925 h0.2; CONSTRUCTION "25" at 479.688,369.341 h0.2 r90; CONSTRUCTION "29" at 479.688,367.342 h0.2 r90; CONSTRUCTION "27" at 479.688,368.34 h0.2 r90; CONSTRUCTION "28" at 479.688,367.842 h0.2 r90; CONSTRUCTION "3" at 481.436,365.256 h0.2 r180; CONSTRUCTION "32" at 479.688,365.84 h0.2 r90; CONSTRUCTION "4" at 481.934,365.256 h0.2 r180; CONSTRUCTION "24" at 480.272,369.925 h0.2; CONSTRUCTION "17" at 483.773,369.925 h0.2; CONSTRUCTION "20" at 482.274,369.925 h0.2; CONSTRUCTION "26" at 479.688,368.84 h0.2 r90; CONSTRUCTION "33" at 482.022,367.59 h0.2 r180; CONSTRUCTION "19" at 482.772,369.925 h0.2; CONSTRUCTION "14" at 484.357,368.34 h0.2 r270; CONSTRUCTION "15" at 484.357,368.84 h0.2 r270; CONSTRUCTION "1" at 480.435,365.256 h0.2 r180; CONSTRUCTION "30" at 479.688,366.841 h0.2 r90; CONSTRUCTION "2" at 480.935,365.256 h0.2 r180; CONSTRUCTION "18" at 483.272,369.925 h0.2; CONSTRUCTION "16" at 484.357,369.341 h0.2 r270